# Altium PCB remote control.PcbDoc
Units mil, origin at the board's own origin, x right, y up, seen from the top; angles counter-clockwise.
Board outline 5901.93 x 2766.1 mil, 2 copper layers (Top Layer, Bottom Layer); 67 components, 55 nets, 300 pads, 39 vias.
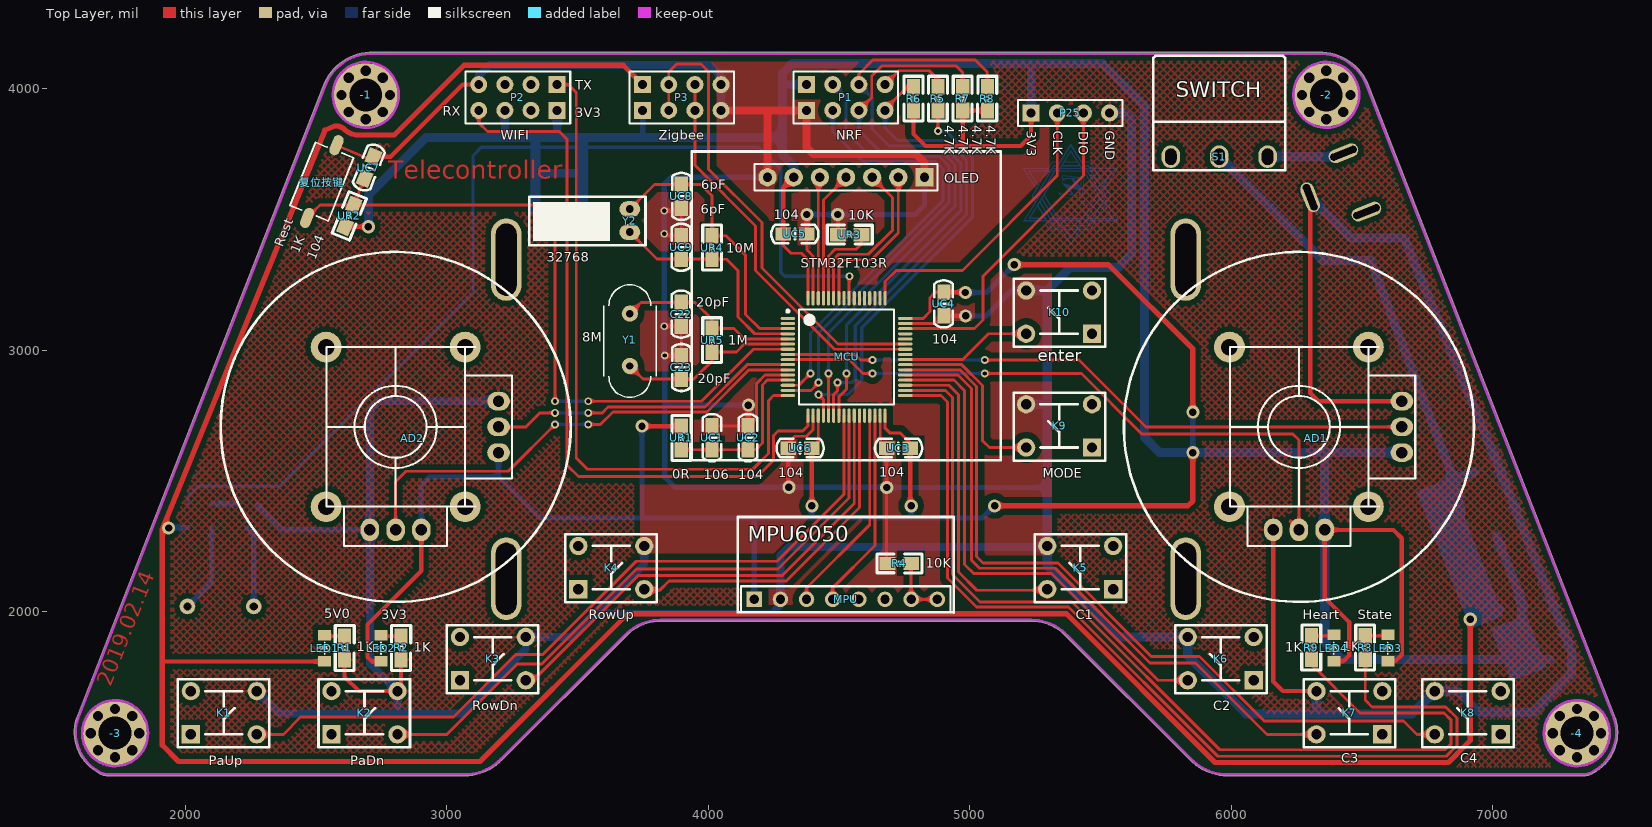
[diagram p0: Top Layer view]
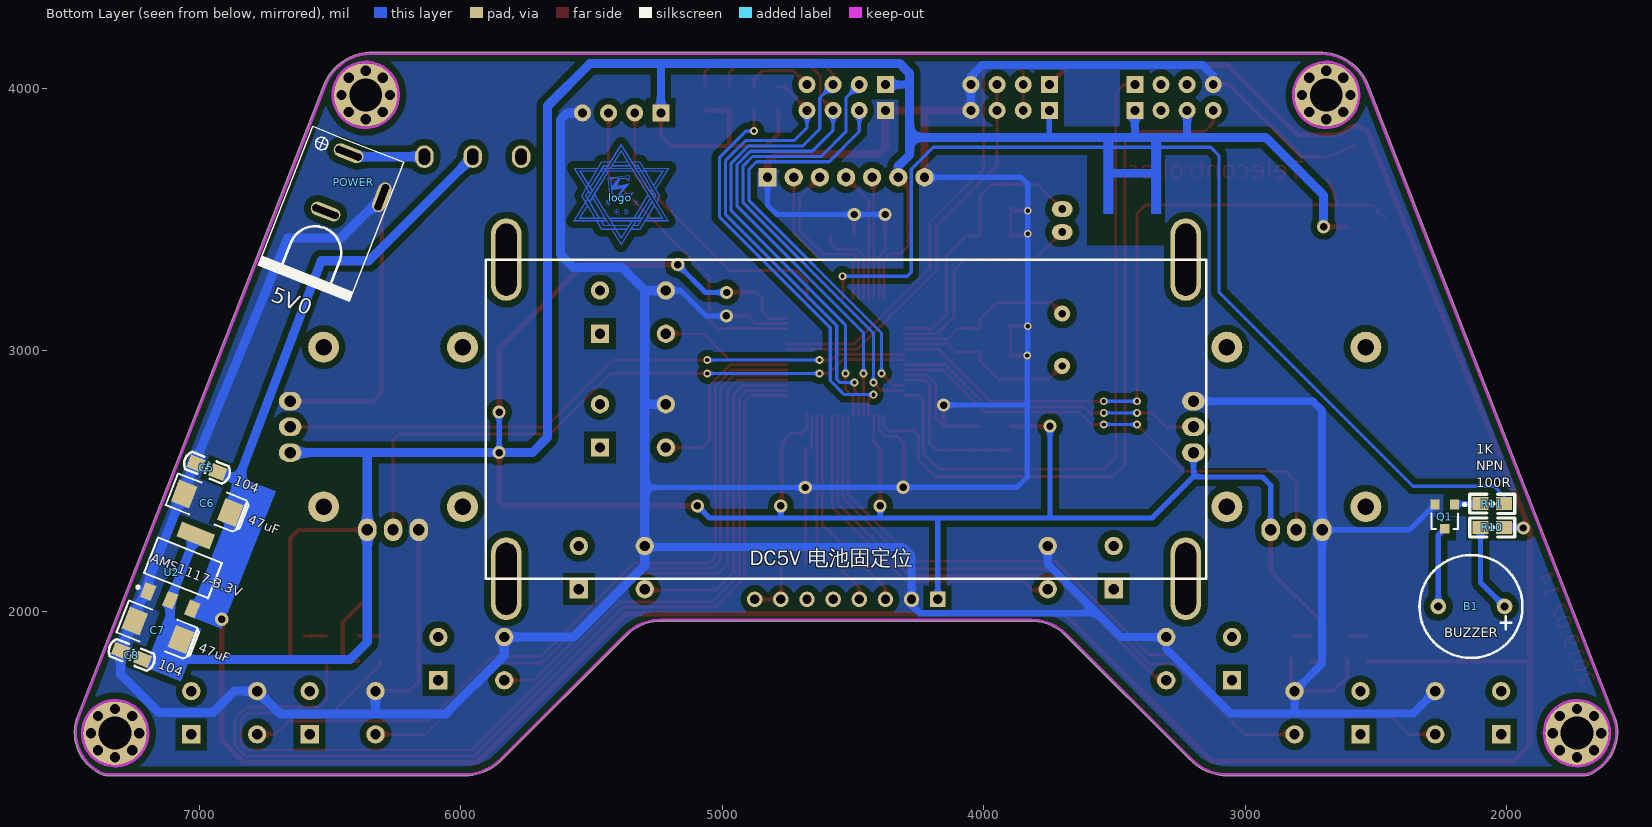
[diagram p1: Bottom Layer view, seen from below]

## Layer stack, top to bottom
Top Solder: solder mask 0.4, Solder Resist, Dk 3.5
Top Layer: signal copper 1.4
Dielectric 1: dielectric 12.6, FR-4, Dk 4.8
Bottom Layer: signal copper 1.4
Bottom Solder: solder mask 0.4, Solder Resist, Dk 3.5

## Board outline
1704.12,1373.08 ccw(c1704.12,1378.1) 1705.39,1373.25 ccw(c1707.12,1377.95) 1707.12,1372.94 3070.87,1372.94 ccw(c3070.87,1566.93) 3210.63,1432.39 ccw(c3208.66,1437.01) 3212.21,1433.46 3683.25,1904.51 ccw(c3681.4,1909.17) 3685.07,1905.75 cw(c3818.9,1779.53) 3818.9,1963.49 5236.22,1963.49 cw(c5236.22,1779.53) 5370.05,1905.75 cw(c5236.22,1779.53) 5370.07,1905.73 5370.05,1905.75 ccw(c5373.72,1909.17) 5371.86,1904.51 5842.91,1433.46 ccw(c5846.46,1437.01) 5844.49,1432.39 ccw(c5984.25,1566.93) 5984.25,1372.94 7348,1372.94 ccw(c7348,1377.95) 7349.73,1373.25 ccw(c7351,1378.1) 7351,1373.08 ccw(c7351,1436) 7385.9,1383.65 ccw(c7303.1,1538.35) 7478.57,1538.35 ccw(c7303.1,1538.35) 7466.54,1602.19 6526.22,4009.43 ccw(c6341,3942) 6335.87,4139.04 ccw(c6336,4134.03) 6334.71,4138.87 2720.41,4138.87 ccw(c2719.12,4134.03) 2719.25,4139.04 ccw(c2714.12,3942) 2528.9,4009.43 2528.92,4009.49 2528.9,4009.43 ccw(c2714.12,3942) 2528.88,4009.37 2528.9,4009.43 1588.58,1602.19 ccw(c1752.01,1538.35) 1669.22,1383.65 ccw(c1704.12,1436)

## Design rules (kind name [scope] priority, off if disabled: settings)
Clearance [All] p1: gap=7
ComponentClearance [All] p1: gap=0 collisioncheckmode=3 verticalgap=10 showdistances=FALSE
PolygonConnect [All] p1: connectstyle=Relief reliefconductorwidth=10 reliefentries=4 polygonreliefangle="90 Angle" airgapwidth=10
RoutingVias [All] p1: holewidth=28 width=50 viastyle="Through Hole" minholewidth=28 minwidth=50 maxholewidth=28 maxwidth=50
SolderMaskExpansion [All] p1: expansion=4
Width [All] p1: maxlimit=40 minlimit=10 preferedwidth=30 minimp=50.000000 maximp=50.000000 favimp=50.000000
29 further rules are at their usual default settings.

## Components (designator, comment, footprint, x,y, rotation, side; value= is the part's Value field where it differs from the comment)
-1 "" 定位孔 2690.94,3976.38 r0 top
-2 "" 定位孔 6364.17,3976.38 r0 top
-3 "" 定位孔 1732.28,1535.43 r0 top
-4 "" 定位孔 7322.83,1535.43 r0 top
AD1 "" 无人机遥感 6259.84,2706.69 r0 top locked
AD2 "" 无人机遥感 2805.12,2706.69 r0 top locked
B1 "BUZZER" 蜂鸣器(有源) 2038,2020 r0 bottom locked
C5 "104" 0805C 7009.09,2565.15 r201.5 bottom
C6 "47uF" Cap1(47uF) 6882,2380 r201.5 bottom
C7 "47uF" Cap1(47uF) 7071,1894 r201.5 bottom
C8 "104" 0805C 7297,1849 r201.5 bottom
C22 "20pF" 0805C 3897.64,3097.44 r90 top
C23 "20pF" 0805C 3897.64,2974.33 r270 top
K1 "PaUp" SW_PB4_DIP#1 2274.02,1529.62 r180 top
K2 "PaDn" SW_PB4_DIP#1 2812.02,1529.62 r180 top
K3 "RowDn" SW_PB4_DIP#1 3303.02,1736.32 r180 top
K4 "RowUp" SW_PB4_DIP#1 3756.02,2084.8 r180 top
K5 "C1" SW_PB4_DIP#2 5297.23,2084.8 r0 top
K6 "C2" SW_PB4_DIP#2 5834.63,1736.32 r0 top
K7 "C3" SW_PB4_DIP#2 6326.76,1529.62 r0 top locked
K8 "C4" SW_PB4_DIP#2 6779.51,1529.62 r0 top
K9 "MODE" SW_PB4_DIP#2 5216.52,2626.63 r0 top
K10 "enter" SW_PB4_DIP#2 5216.52,3061.67 r0 top
LED1 "5V0" 0805LED 2531.47,1811.72 r90 top
LED2 "3V3" 0805LED 2747.31,1811.72 r90 top
LED3 "State" 0805LED 6597.79,1813.02 r90 top
LED4 "Heart" 0805LED 6391.79,1813.02 r90 top
logo "" 集大电协 5390.07,3582.68 r180 bottom
MCU "STM32F103R" LQFP-64N 4389.76,3117.13 r0 top locked
MPU "" MPU6050 4113.39,1997.09 r0 top locked
P1 "NRF" "Header 4X2" 4492.69,3974.44 r90 top
P2 "WIFI" "Header 4X2" 3307.09,3958.63 r270 top
P3 "Zigbee" "Header 4X2" 3865.81,3974.44 r90 top
P25 "3V3" "Header 4" 5234.66,3906.53 r90 top
POWER "5V0" DC-005 6423.56,3756.12 r291.5 bottom
Q1 "NPN" NPN 2275.45,2409.55 r0 bottom
R1 "1K" 0805R 2610.1,1861.4 r90 top
R2 "1K" 0805R 2825.94,1861.4 r90 top
R3 "1K" 0805R 6513.31,1862.71 r270 top
R4 "10K" 0805R 4731.64,2185.04 r0 top
R5 "4.7K" 0805R 4879,3962 r90 top
R6 "4.7K" 0805R 4786,3962 r270 top
R7 "4.7K" 0805R 4974,3962 r270 top
R8 "4.7K" 0805R 5068,3962 r270 top
R9 "1K" 0805R 6307.31,1862.71 r270 top
R10 "100R" 0805R 2056,2322 r180 bottom
R11 "1K" 0805R 2056,2413 r180 bottom
S1 "" 拨动开关（倒针） 5954.96,3740 r0 top locked
U2 "AMS1117-3.3V" SOT-223 7193.36,2074.84 r201.5 bottom
UC1 "106" 0805C 4015.75,2625 r90 top
UC2 "104" 0805C 4153.54,2625 r90 top
UC3 "104" 0805C 4688,2625 r0 top
UC4 "104" 0805C 4901.57,3136.81 r90 top
UC5 "104" 0805C 4372.34,3444.72 r180 top
UC6 "104" 0805C 4311.76,2625 r0 top
UC7 "104" 0805C 2688.16,3661.19 r68 top
UC8 "6pF" 0805C 3897.64,3628.94 r270 top
UC9 "6pF" 0805C 3897.64,3353.35 r90 top
UR1 "0R" 0805R 3897.64,2664.37 r90 top
UR2 "1K" 0805R 2627.95,3513.78 r248 top
UR3 "10K" 0805R 4541.93,3441.72 r180 top
UR4 "10M" 0805R 4015.75,3392.72 r270 top
UR5 "1M" 0805R 4015.75,3038.39 r270 top
Y1 "8M" 22M(晶振) 3700.79,3139.96 r270 top
Y2 "32768" XTAL 3704.79,3478.77 r270 top
复位按键 "Rest" 贴片按键 2471.35,3510.09 r68 top
? "OLED" OLED 4831.86,3659.54 r180 top locked

## Footprints (in the part's own frame and the unit in brackets; to place one, negate y for a bottom-side part, rotate by r counter-clockwise, add the part's x,y. Pads: shape width x height; smd on the part's side, far side on the other; paste and mask are expansions set on the pad)
22M(晶振) [mil]
  round 62 hole 28: 1(0,0) 2(200,0)
  silkscreen extent -110,-100 320,100, body extent -114,-102 326,82, height 143
0805C [mil]
  rect 60x50 smd: 1(-5,0) 2(85,0)
  silkscreen extent -50,-35 131,36, body extent -16,-26 102,29, height 37
0805LED [mil]
  rect 40x50 smd: 1(-2,-2) 2(98,-2)
  silkscreen extent 25,-22 71,18, body extent 7,-27 87,23, height 43
0805R [mil]
  rect 60x50 smd: 1(-45,0) 2(45,0)
  silkscreen extent -86,-37 86,36, body extent -38,-25 40,25, height 22
Cap1(47uF) [mil]
  rect 75x90 smd: 1(0,0) 2(-190,0)
  silkscreen extent -240,-65 55,65, body extent -213,-63 23,63, height 102
DC-005 [mil]
  oval 52x118.11 hole 27.56 slot 106.3 at 90 deg: 1(5,-5) 2(245,-5)
  oval 118.11x52 hole 27.56 slot 106.3 at 0 deg: 3(115,175)
  silkscreen extent -40,-170 530,205, body extent -36,-168 539,207, height 430
"Header 4" [mil]
  rect 65x65 hole 34: 1(0.95,-0.93)
  round 65 hole 34: 2(0.95,-100.93) 3(0.95,-200.93) 4(0.95,-300.93)
  silkscreen extent -49,-351 51,49, body extent -51,-354 49,46, height 336
"Header 4X2" [mil]
  rect 65x65 hole 34: 1(-57.12,115.92) 2(41.31,115.92)
  round 65 hole 34: 3(-57.12,15.92) 4(41.31,15.92) 5(-57.12,-84.08) 6(41.31,-84.08) 7(-57.12,-184.08) 8(41.31,-184.08)
  silkscreen extent -107,-234 91,166, body extent -109,-237 89,163, height 336
LQFP-64N [mm]
  oval 1.4x0.3 smd: 1(-2.146,0.12) 2(-2.146,-0.38) 3(-2.146,-0.88) 4(-2.146,-1.38) 5(-2.146,-1.88) 6(-2.146,-2.38) 7(-2.146,-2.88) 8(-2.146,-3.38) 9(-2.146,-3.88) 10(-2.146,-4.38) 11(-2.146,-4.88) 12(-2.146,-5.38) 13(-2.146,-5.88) 14(-2.146,-6.38) 15(-2.146,-6.88) 16(-2.146,-7.38) 33(9.254,-7.38) 34(9.254,-6.88) 35(9.254,-6.38) 36(9.254,-5.88) 37(9.254,-5.38) 38(9.254,-4.88) 39(9.254,-4.38) 40(9.254,-3.88) 41(9.254,-3.38) 42(9.254,-2.88) 43(9.254,-2.38) 44(9.254,-1.88) 45(9.254,-1.38) 46(9.254,-0.88) 47(9.254,-0.38) 48(9.254,0.12)
  oval 0.3x1.4 smd: 17(-0.196,-9.33) 18(0.304,-9.33) 19(0.804,-9.33) 20(1.304,-9.33) 21(1.804,-9.33) 22(2.304,-9.33) 23(2.804,-9.33) 24(3.304,-9.33) 25(3.804,-9.33) 26(4.304,-9.33) 27(4.804,-9.33) 28(5.304,-9.33) 29(5.804,-9.33) 30(6.304,-9.33) 31(6.804,-9.33) 32(7.304,-9.33) 49(7.304,2.07) 50(6.804,2.07) 51(6.304,2.07) 52(5.804,2.07) 53(5.304,2.07) 54(4.804,2.07) 55(4.304,2.07) 56(3.804,2.07) 57(3.304,2.07) 58(2.804,2.07) 59(2.304,2.07) 60(1.804,2.07) 61(1.304,2.07) 62(0.804,2.07) 63(0.304,2.07) 64(-0.196,2.07)
  silkscreen extent -2.27,-8.23 8.15,0.97, body extent -2.45,-9.63 9.55,2.37, height 1.6
MPU6050 [mm]
  rect 1.5x1.5 hole 0.9: 1(1.61,1.274)
  round 1.5 hole 0.9: 2(4.15,1.274) 3(6.69,1.274) 4(9.23,1.274) 5(11.77,1.274) 6(14.31,1.274) 7(16.85,1.274) 8(19.39,1.274)
  silkscreen extent 0,0 21,9.27
NPN [mm]
  rect 0.9x0.95 smd: 1(-0.001,0.001) 2(-1.901,0.001) 3(-0.951,2.351)
  silkscreen extent -3.03,-0.12 0.35,2.35, body extent -2.47,-0.21 0.43,2.59, height 1.2
OLED [mil]
  rect 70x70 hole 35.43: 1(4.3,-1.87)
  round 70 hole 35.43: 2(104.3,-1.87) 3(204.3,-1.87) 4(304.3,-1.87) 5(404.3,-1.87) 6(504.3,-1.87) 7(604.69,-1.87)
  silkscreen extent -287,-100 894,1081
SOT-223 [mm]
  rect 1.1x1.55 smd: 1(-0.09,0.029) 2(2.21,0.029) 3(4.51,0.029)
  rect 3.45x1.55 smd: 4(2.21,6.779)
  silkscreen extent -1.29,-0.07 5.56,5.25, body extent -1.09,-0.53 5.51,6.83, height 0.8
SW_PB4_DIP#1 [mil]
  rect 70x70 hole 39.37: 1(251.98,-1.32)
  round 70 hole 39.37: 2(251.98,-166.68) 3(0.02,-166.68) 4(0.02,-1.32)
  silkscreen extent -48,-211 302,49, body extent -37,-207 288,49, height 315
SW_PB4_DIP#2 [mil]
  rect 70x70 hole 39.37: 1(251.98,1.32)
  round 70 hole 39.37: 2(251.98,166.68) 3(0.02,166.68) 4(0.02,1.32)
  silkscreen extent -48,-49 302,211, body extent -37,-49 288,207, height 315
XTAL [mil]
  oval 60x80 hole 30: 1(-61,-4) 2(27,-4)
  silkscreen extent -108,-389 77,56, body extent -82,-72 54,54, height 365
定位孔 [mm] "3*3"
  round 1 hole 1: 1(-2.35,0) 1(-1.662,-1.662) 1(-1.662,1.662) 1(0,-2.35) 1(0,2.35) 1(1.662,-1.662) 1(1.662,1.662) 1(2.35,0)
  round 6.2 hole 3.2: 1(0,0)
  Keep-Out Layer circle w0.254: c0,0 r3.2
拨动开关（倒针） [mm]
  oval 1.8x2.2 hole 1.1 slot 1.6 at 90 deg: 1(-4.7,0) 2(0,0) 3(4.7,0)
  silkscreen extent -6.4,-1.3 6.4,9.8
无人机遥感 [mm]
  round 3 hole 1.6: 0(-6.75,-7.75) 0(-6.75,7.75) 0(6.75,-7.75) 0(6.75,7.75)
  round 2 on Top Overlay: 1(0,0)
  oval 2.2x1.8 hole 1.1: 1(10,2.5) 2(10,0) 3(10,-2.5)
  oval 1.8x2.2 hole 1.1: 4(2.5,-10) 5(0,-10) 6(-2.5,-10)
  silkscreen extent -17,-17 17,17
蜂鸣器(有源) [mil]
  round 60 hole 32 mask+0: 1(-29,0) 2(224.85,0)
  silkscreen extent -97,-197 296,197, body extent -140,-236 332,236, height 354
贴片按键 [mil]
  oval 80x40 smd: 1(-5.71,2.8) 2(294.29,2.8)
  silkscreen extent 14,-76 274,82, body extent 24,-69 264,77, height 98
集大电协 [mil] "10mm"
  Top Layer region: 120,12 126,22 128,20 128,18 123,10 121,10
  Top Layer region: 112,25 118,35 120,33 120,31 115,23 113,23
  Top Layer region: 68,104 164,104 165,104 128,45 127,50 159,101 69,101
  Top Layer region: 90,114 186,114 187,114 137,34 134.5,36.5 181,111 91,111
  Top Layer region: -23,139 27,139 28,138 29,137 30,136 -25,136
  Top Layer region: 79,104 65,104 63,102 66,101 67,101 68,101 79,101
  Top Layer region: 72,114 58,114 56,112 60,112 61,111 72,111
  Top Layer region: -49,124 -65,124 -115.5,40.5 -113,38 -63,121 -51,121
  Top Layer region: -34,124 36,124 35,124 37,123 37,121 -36,121
  Top Layer region: -76,101 -74,104 47,104 49,101
  Top Layer region: -67,114 42,114 42,113 43,111 -69,111
  Top Layer region: 36,87 33,64 20,74 22,76 31,69 33,84 -46,74 -38.5,0.5 33,2 44,17 -32,7 -40,73 22,76 21,75 20,74 -37,71 -30,10 45,20 50,21 34,0 -41,-2 -49,76
  Top Layer region: -107.76,-0.39 -43.84,-105.5 -40.5,-105.5 -40.88,-103.93 -107,4
  Top Layer region: -99.76,11.61 -10,-136 2.29,-156.83 47,-87 43,-87 2.29,-150 -31,-95 -99,16
  Top Layer region: -34,-122 -10,-161 2.29,-181.83 63,-87 59,-87 2.29,-175 -31,-120 -34,-121
  Top Layer region: -71.5,-119 -29.5,-119 26.5,-119 25.5,-122 -73.5,-122 -93.5,-87 -89.5,-88
  Top Layer region: -122,23 -122.61,26.61 -134,8 -82.46,-77.91 -80,-76 -130,8 -119.7,23.69
  Top Layer region: 129,-26 74,-119 41,-119 39,-122 76,-122 131,-30
  Top Layer region: 119.86,-13.21 66,-104 51,-104 50,-107 68,-107 123,-15
  Top Layer region: 113,1 65,-77 69,-78 115,-2
  Top Layer region: 105,13 50,-76.5 51,-78 55,-76 107,10
  Top Layer region: -48,102 -118.5,-13.5 -116.5,-16.5 -44,102
  Top Layer region: -92.5,104 -157.5,104 -109,26 -106,27 -151.5,101 -96,101
  Top Layer region: -88,114 -179,114 -116,13 -114,15 -173,111 -90,111
  Top Layer region: -40,139 -73.93,139 -150,8 -98.46,-77.91 -96,-76 -146,8 -72,136 -40,136
  Top Layer region: 43,139 76,139 153,7 138,-18 136,-14 149,7 74,136 43,136
  Top Layer region: -63,-104 -21,-104 35,-104 34,-107 -65,-107 -76,-88 -72,-89
  Top Layer region: -37,-86 33,-86 79,-86 78,-89 -37,-89
  Top Layer region: -43,-76 27,-76 83,-76 82,-79 -43,-79
  Top Layer region: 52,124 68,124 137,9 130,-3 128,1 133,9 66,121 54,121
  Top Layer region: -41,114 -27,135 2,183 163,-79 102,-79 104,-76 157,-76 2,177 -37,114
  Top Layer region: 2,207 -9,190 -181,-89 -173,-89 -54,-89.05 -52,-86 -58.64,-74.93 -62,-76 -153,-76 -126,-32 -128,-28 -160,-79 -60,-79 -55.5,-86 -175,-86 2,200 56,112 178,-86 98,-86 96,-89 184,-89 174,-73
  Top Layer region: -9,72.5 -34.75,39.75 -33,30 8,36 -8,12 -2,12 35,55 -13.5,44 -0.5,74

## Part data
-1 -2 -3 -4: library part 定位孔
AD1 AD2: library part 无人机摇杆
C5 C8 C22 C23 UC1 UC2 UC3 UC4 UC5 UC6 UC7 UC8 UC9: library part C1
C6 C7: library part Cap1(100uF)
K1 K2 K3 K4 K5 K6 K7 K8 K9 K10: library part Key(四脚)
LED1 LED2 LED3 LED4: library part LED
logo: library part 集大电协
MPU: library part MPU6050
P1 P2 P3: library part "Header 4X2"
P25: library part "Header 4"
POWER: library part DC-005
Q1: library part Q2
R1 R2 R3 R4 R5 R6 R7 R8 R9 R10 R11 UR1 UR2 UR3 UR4 UR5: library part R1
S1: library part 钮子开关
U2: library part AMS1117-3.3V/5.0V
Y1 Y2: library part XTAL
复位按键: library part Key(两脚贴片)

## Free pads (board coordinates)
  oval 118.11x314.96 hole 78.74 slot 275.59 at 90 deg: 0(3228.35,2125.98) 0(3228.35,3346.46) 0(5826.77,2125.98) 0(5826.77,3346.46)

## Via types
v1: diameter 30, hole 16, Top Layer to Bottom Layer, 22 vias
v2: diameter 50, hole 28, Top Layer to Bottom Layer, 17 vias

## Nets (pads, with @x,y where several pads share a name; then routed paths per layer and width w, separated by ;. In a path a pad name is that pad's centre, name@x,y a point inside that pad or via, vN(x,y) a via of type N, cw(c..) or ccw(c..) an arc to the next point about the centre after c; other vN are vias at no path point)
3.3V: ?.6 AD1.3 AD1.4 AD2.3 AD2.4 C7.1 C8.2 LED2.1 LED3.1 LED4.1 MCU.19 MCU.32 MCU.48 MCU.64 MPU.1 P1.2 P2.2 P2.6 P3.1 P25.1 R6.2 R7.2 R8.2 U2.2 U2.4 UC3.2 UC4.2 UC5.2 UC6.2 UR1.2 UR2.2 | length 19165.3
  Top Layer w11: UC5.2 4287.34,3400.66 4317,3371 4358,3371 4382.05,3346.95 MCU.64 ; UC6.2 4421.42,2649.65 MCU.19 ; MCU.32@4677.42,2756.89 4677.42,2701.52 4694.88,2684.06 4734.25,2684.06 4770.04,2648.27 UC3.2@4770.04,2625 ; MCU.48 4822.85,3121.85 4849,3148 4849,3202 4868.81,3221.81 UC4.2
  Top Layer w16: UR2.2 v2(2701.1,3472.06) ; LED2.1 2714.28,1809.72 2698,1826 2698,1951 2903.54,2156.54 AD2.4 ; v2(3747.64,2709.37) UR1.2 ; UC5.2 4287.34,3621.2 ?.6 ; v2(4396.76,2405) UC6.2 ; UC3.2@4770.04,2625 UC3.2 v2@4773,2405 ; R6.2 4786,3827 4832,3781 4975,3781 ; UC4.2 4983.19,3221.81 v2(4984,3221) ; R8.2 R7.2 4974,3782 4975,3781 ; P25.1 5235.59,3820.59 5196,3781 4975,3781 ; LED4.1 6431.02,1811.02 6452,1832 6452,1960 6358.27,2053.73 AD1.4 6621.01,2312.99 6653,2281 6653,1835 6629.02,1811.02 LED3.1
  Top Layer w20: v2(5096,2405) 5836,2405 5854,2423 v2(5854,2608.27) ; v2(5171,3327) 5531.27,3327 5854,3004.27 v2(5854,2763) v2@5854,2756
  Bottom Layer w20: AD2.4 2903.54,2483.54 2935,2515 3198.82,2515 ; AD2.3 3198.82,2515 ; v2(3747.64,2709.37) 3747.64,2361.36 3751,2358 ; 3749.89,3814.11 P3.1 ; 4048,3814 4049.89,3815.89 ; MPU.1 4176.77,2353.77 4181,2358 ; v2(4396.76,2405) 4396.76,2360.76 4394,2358 ; v2(4777.04,2405) 4777.04,2360.04 4775,2358 ; v2(4984,3221) 5065,3221 v2(5171,3327) ; v2(5096,2405) 5049,2358 4775,2358 ; 5233,4097 5235.59,4094.41 ; v2(5854,2608.27) v2(5854,2763) ; 3198.82,2515 3200,2515 3357,2358 3751,2358 ; 3751,2358 4181,2358 ; 4181,2358 4394,2358 ; 4394,2358 4775,2358
  Bottom Layer w30: 3223.01,3816 P2.6 ; P2.2 3423.01,3815.99 3425,3814 ; 3749.89,3814.11 3750,3814 ; 4285,4015.75 P1.2 ; P25.1 5235.59,4094.41
  Bottom Layer w35: v2(2701.1,3472.06) 2701.1,3592.1 2923,3814 3425,3814 3750,3814 4048,3814 4285,3814 ; ?.6 4327.56,3703.44 4285,3746 4285,3814 ; v2@5853,2608.27 5727.73,2608.27 5669,2667 5669,3934 5506,4097 5233,4097 4323,4097 4285,4059 4285,4015.75 4285,3814 ; v2(5854,2608.27) AD1.3 ; 6358.27,2606 AD1.4 6358.27,1883.73 6424.15,1817.85 7075,1817.85 ; U2.4 U2.2 7112,1935 C7.1 7075,1817.85 ; C8.2 7075,1817.85
5.0V: C5.2 C6.1 LED1.1 P3.2 R10.2 S1.2 U2.3 | length 13053.3
  Top Layer w16: 1913,1808 1914.72,1809.72 LED1.1
  Top Layer w20: v2(1937,2320) 1917,2320 v2@1913,2316 ; P3.2 3675.64,4090 3067,4090 2800,3823 2662.42,3823 cw(c2662.42,3898.86) 2608.78,3845.22 ccw(c2580.34,3816.77) 2580.34,3857 2571.8,3857 2534.54,3841.32 1917.82,2327.82 v2@1913,2316 ; v2(6915,1971) 6915,1507.18 6831.32,1423.5 5939.27,1423.5 5370.77,1992 3693,1992 3128,1427 1975,1427 1913,1489 1913,1808 v2@1913,2316
  Bottom Layer w20: v2(1937,2320) 1939,2322 R10.2
  Bottom Layer w35: S1.2 6352.96,3342 6535,3342 6853.39,2500.2 ; 6760,2459 6853.39,2500.2 ; v2(6915,1971) 6954.81,2010.81 U2.3 7008.45,2018.97 6874,2350 C6.1 6858,2488 6853.39,2500.2 ; C5.2 6853.39,2500.2
AD1: AD1.2 MCU.8 | length 2463.2
  Top Layer w11: MCU.8 4560.94,2984.06 4583,2962 v1(4629,2962) ; v1(5058,2962) 5419,2962 5674.31,2706.69 AD1.2
  Bottom Layer w12: v1(4629,2962) v1(5058,2962)
AD2: AD1.5 MCU.9 | length 2425.4
  Top Layer w11: MCU.9 4539.63,2964.37 4593,2911 v1(4629,2911) ; v1(5058,2911) 5428,2911 5659,2680 6236,2680 6259.84,2656.16 AD1.5
  Bottom Layer w12: v1(4629,2911) v1(5058,2911)
AD3: AD2.2 MCU.10 | length 1205
  Top Layer w11: AD2.2 3302.69,2706.69 3356.5,2760.5 v1(3415,2760.5) ; v1(3542,2760.5) 3595.5,2760.5 3618,2783 3988,2783 4149.69,2944.68 MCU.10
  Bottom Layer w12: v1(3415,2760.5) v1(3542,2760.5)
AD4: AD2.5 MCU.11 | length 1863.5
  Top Layer w11: AD2.5 2805.12,2497.12 2845,2537 3236,2537 v1(3415,2716) ; v1(3542,2716) 3588,2716 3636,2764 3995.87,2764 4156.87,2925 MCU.11
  Bottom Layer w12: v1@3413,2716 v1(3415,2716) v1(3542,2716)
BOOT0: MCU.60 UR3.1 | length 342.2
  Top Layer w11: MCU.60 4460.79,3360.79 4486,3386 4566,3386 4586.93,3406.93 UR3.1
BUZZ: MCU.56 R11.2 | length 3937.3
  Top Layer w11: MCU.56 4539.53,3281.53 v1(4541,3283)
  Bottom Layer w12: R11.2 2011,2442 2049,2480 2359,2480 3101,3222 3101,3744 3133,3776 4194,3776 4278,3692 4278,3298 4293,3283 v1(4541,3283)
GND: ?.1 ?.7 AD1.1@6653.54,2805.12 AD1.6 AD2.1@3198.82,2805.12 AD2.6 C5.1 C6.2 C7.2 C8.1 C22.1 C23.1 K1.3 K2.3 K3.3 K4.3 K5.3 K6.3 K7.3 K8.3 K9.3 K10.3 MCU.12 MCU.18 MCU.31 MCU.47 MCU.63 MPU.2 P1.1 P2.7 P3.7 P3.8 P25.4 POWER.3 Q1.1 R1.1 R2.1 R4.1 U2.1 UC1.2 UC2.2 UC3.1 UC4.1 UC5.1 UC6.1 UC7.2 UC8.2 UC9.2 UR3.2 复位按键.2 | length 24986.9
  Top Layer w11: 复位按键.2 2690,3737 UC7.2 ; C23.1 C22.1 ; UC9.2 UC8.2 ; UC1.2 UC2.2 ; UC2.2@4154,2710.46 4186,2742.46 4186,2874 4217.31,2905.31 MCU.12 ; UC6.1 4306.76,2645.76 4332,2671 4376.71,2671 4401.73,2696.02 MCU.18 ; UC5.1 4377.34,3384.66 4401.73,3360.27 MCU.63 ; MCU.31 4658.42,2749.02 4658.42,2626.94 UC3.1@4660.35,2625 ; v2@4683,2475 4683,2188.68 R4.1 ; UC3.1 UC3.1@4683,2626 ; MCU.47 4871.93,3102.17 UC4.1
  Top Layer w16: R1.1 2610.1,1750.9 2664.7,1696.3 K2.3 2825.94,1710.24 R2.1 ; UC7.2 2786,3740 3061.75,4015.75 P2.7 ; v1(3832.55,3091.61) 3833.38,3092.44 C22.1 ; v1(3832.55,3445.61) 3839.82,3438.35 UC9.2 ; v1(3832.55,3533.61) 3887.32,3533.61 UC8.2 ; v1(3834.55,2979.61) 3834.83,2979.33 C23.1 ; UC2.2 4154,2710.46 v2(4154,2790) ; UC6.1 4306.76,2478.24 v2(4309,2476) ; UC5.1 4378,3445.38 v2(4378,3519) ; v2(4496,3519) 4496.93,3518.07 UR3.2 ; v2@4683,2475 UC3.1 ; UC4.1 4984.76,3131.81 v2(4985.26,3131.32) ; AD1.6 6161.42,1732.58 6197.7,1696.3 K7.3 ; POWER.3 6302.88,2836.12 6333.88,2805.12 AD1.1@6653.54,2805.12
  Top Layer w30: P3.7 4357.09,3917.32 4366.93,3907.48 P1.1 4376.77,3776.23 4403,3750 4794,3750 4827.56,3716.44 ?.1 ; ?.7 4227.17,3916
  Bottom Layer w20: Q1.1 2371.93,2312.99 AD2.6 ; 3835,2790 v2(4154,2790) ; ?.7 3858.42,3661.42 3832.55,3635.55 v1(3832.55,3533.61) v1(3832.55,3445.61) v1(3832.55,3091.61) 3832.55,2981.61 v1(3834.55,2979.61) 3834.55,2514.45 3873,2476 v2(4309,2476) 4682.33,2476 v2(4683.33,2475) 5297.24,2475 ; v2(4378,3519) v2(4496,3519) 4792,3519 4827.56,3554.56 ?.1 ; v2(4985.26,3131.32) 5063.31,3131.32 5160.35,3228.35 K10.3
  Bottom Layer w25: 3568.67,1994.67 4077.33,1994.67 4078,1994 4245,1994 4276.77,2025.77 MPU.2
  Bottom Layer w30: K1.3 2359.3,1611 2814,1611 ; P2.7 3123.01,4050.01 3164,4091 4007,4091 4049.89,4048.11 P3.8 P3.7 P3.7@4049.89,3907.48 ; AD2.1@3198.82,2805.12 2742.12,2805.12 2706.69,2769.69 AD2.6 2706.69,1801.61 K2.3 2812,1613 2814,1611 ; K4.3@3756,2247.48 3756,2182 3568.67,1994.67 3476.99,1902.99 K3.3 3303,1857 3057,1611 2814,1611 ; MPU.2 4276.77,2214.77 4309.48,2247.48 K5.3@5297.24,2247.48
  Bottom Layer w35: K9.3 5294.94,2793.31 5297.24,2791 ; K10.3 5282.14,3228.35 5297.24,3213.24 ; K5.3@5297.24,2247.48 5297.24,2175.76 5570.01,1902.99 K6.3 5834.65,1832.35 6058,1609 6692.23,1609 K8.3 6866.7,1696.3 6949,1614 7155,1614 7301.65,1760.65 C8.1 7255.75,1966.79 7209.91,2082.59 7063.83,2451.64 7017.57,2568.5 6996,2623 6663,3429 6458.86,3429 POWER.3 ; K5.3 5297.24,2475 5297.24,2791 ; P25.4 5593.52,3907.48 5620,3881 5620,3367 5569,3316 5384,3316 5297.24,3229.24 5297.24,3213.24 ; 6326.77,1613 K7.3 ; 5297.24,2791 5297.24,3213.24
IMU_SCL: MCU.29 MPU.3 | length 802.6
  Top Layer w11: MPU.3 4376.77,2090.77 4618.27,2332.27 MCU.29
IMU_SDA: MCU.30 MPU.4 | length 769.3
  Top Layer w11: MPU.4 4476.77,2091.77 4637.95,2252.95 MCU.30
KEY1: K1.4 MCU.24 | length 2927
  Top Layer w11: K1.4 2375.94,1530.94 2442,1597 3026,1597 3266,1837 3369.13,1837 3725.13,2193 4264,2193 4519.84,2448.84 MCU.24
KEY2: K2.4 MCU.25 | length 2417.1
  Top Layer w11: K2.4 3000.94,1530.94 3270,1800 3364,1800 3727,2163 4268,2163 4539.53,2434.53 MCU.25
KEY3: K3.4 MCU.26 | length 1872
  Top Layer w11: K3.4 3331.64,1737.64 3733,2139 4284,2139 4559.21,2414.21 MCU.26
KEY4: K4.4 MCU.27 | length 1305.6
  Top Layer w11: K4.4@3756,2082.13 3815.13,2082.13 3851,2118 4299,2118 4578.9,2397.9 MCU.27
KEY5: K5.4 MCU.35 | length 1265
  Top Layer w11: MCU.35 4922.06,2865.94 4958,2830 4958,2152 5027.87,2082.13 K5.4@5297.24,2082.13
KEY6: K6.4 MCU.36 | length 1945
  Top Layer w11: MCU.36 4940.37,2885.63 4981,2845 4981,2181 5016,2146 5313,2146 5721.36,1737.64 K6.4
KEY7: K7.4 MCU.37 | length 2526.9
  Top Layer w11: MCU.37 4955.82,2905.31 5007,2854.13 5007,2197 5038,2166 5328,2166 5690,1804 5864,1804 6137.06,1530.94 K7.4
KEY8: K8.4 MCU.38 | length 2983.6
  Top Layer w11: MCU.38 4963,2925 5027,2861 5027,2211 5052,2186 5338,2186 5695,1829 5880,1829 6127,1582 6660,1582 6711.06,1530.94 K8.4
KEY9: K9.4 MCU.39 | length 717.2
  Top Layer w11: MCU.39 4970.19,2944.68 5050,2864.87 5050,2654 5076.05,2627.95 K9.4
KEY10: K10.4 MCU.40 | length 503.3
  Top Layer w11: MCU.40 4974.37,2964.37 5072.99,3062.99 K10.4
LED0: MCU.33 R3.2 | length 3732.7
  Top Layer w11: MCU.33 4891.43,2826.57 4916,2802 4916,2129 5027,2018 5378,2018 5949,1447 6823,1447 6864,1488 6864,1593 6821,1636 6539,1636 6513.31,1661.69 R3.2
LED1: MCU.34 R9.2 | length 3795.5
  Top Layer w11: MCU.34 4907.74,2846.26 4935,2819 4935,2142 5040,2037 5392,2037 5957,1472 6819,1472 6842,1495 6842,1585 6814,1613 6493,1613 6307.31,1798.69 R9.2
NetB1_1: B1.1 R10.1 | length 340.1
  Bottom Layer w20: B1.1 2101,2112 R10.1
NetB1_2: B1.2 Q1.3 | length 307.3
  Bottom Layer w20: Q1.3 2262.85,2292.15 B1.2
NetLED1_2: LED1.2 R1.2 | length 78
  Top Layer w11: LED1.2 2536.79,1906.4 R1.2
NetLED2_2: LED2.2 R2.2 | length 78
  Top Layer w11: LED2.2 2752.63,1906.4 R2.2
NetLED3_2: LED3.2 R3.1 | length 87.8
  Top Layer w11: R3.1 6596.47,1907.71 LED3.2
NetLED4_2: LED4.2 R9.1 | length 87.8
  Top Layer w11: R9.1 6390.47,1907.71 LED4.2
NetMCU_13: MCU.13 UC1.1 UC2.1 UR1.1 | length 648
  Top Layer w11: UR1.1 4182.37,2619.37 4208,2645 4208,2867 4226.63,2885.63 MCU.13
NetMPU_7: MPU.7 MPU.8 R4.2 | length 237.9
  Top Layer w11: R4.2 4776.64,2047.38 MPU.7 MPU.8
NetP1_8: P1.8 R5.2 | length 267
  Top Layer w11: P1.8 4730.02,4069 4846,4069 4879,4036 R5.2
NetQ1_2: Q1.2 R11.1 | length 101
  Bottom Layer w20: R11.1 2197.12,2413 Q1.2
NRF_CE: MCU.14 P1.3 | length 1658.6
  Top Layer w11: MCU.14 4346.94,2865.94 v1(4392,2911)
  Bottom Layer w12: v1(4392,2911) 4392,3066 4898,3572 4898,3693 4870,3721 4592,3721 4476.77,3836.23 P1.3
NRF_CS: MCU.15 P1.4 | length 1814.1
  Top Layer w11: MCU.15 4393.26,2846.26 v1(4423,2876)
  Bottom Layer w12: v1(4423,2876) 4423,3066 4921,3564 4921,3705 4885,3741 4622,3741 4528,3835 4528,3964.52 P1.4
NRF_IRQ: MCU.20 R5.1 | length 1556.7
  Top Layer w11: v1(4423,2830) 4441.1,2811.9 MCU.20 ; v1(4879,3838) R5.1
  Bottom Layer w12: v1(4423,2830) 4534,2830 4588,2884 4588,3086 5011,3509 5011,3738 4911,3838 v1(4879,3838)
OLED_D0: ?.5 MCU.62 | length 465.3
  Top Layer w11: MCU.62 4421.42,3655.28 ?.5
OLED_D1: ?.4 MCU.61 | length 505.7
  Top Layer w11: MCU.61@4441.2,3191.53 4441.2,3575.06 ?.4
OLED_DC: ?.2 MCU.58 | length 624.4
  Top Layer w11: MCU.58 4500.16,3336.16 4510,3346 4625,3346 4727.56,3448.56 ?.2
OLED_RES: ?.3 MCU.59 | length 654.1
  Top Layer w11: MCU.59 4480.47,3347.47 4500,3367 4613,3367 4705,3459 4705,3583.98 ?.3
OSC32IN: MCU.3 UC8.1 UR4.1 Y2.1 | length 1093.5
  Top Layer w11: Y2.1 3794.95,3633.94 UC8.1 3971.38,3633.94 4015.75,3589.57 UR4.1 4069.17,3437.72 4143.7,3363.19 4143.7,3136.81 4198.03,3082.48 MCU.3
OSC32OUT: MCU.4 UC9.1 UR4.2 Y2.2 | length 869.4
  Top Layer w11: Y2.2 3804.21,3348.35 UC9.1 4015.12,3348.35 UR4.2 4070.59,3347.72 4114.17,3304.13 4114.17,3126.97 4178.35,3062.8 MCU.4
OSCIN: C22.2 MCU.5 UR5.1 Y1.1 | length 699.6
  Top Layer w11: Y1.1 3743.27,3182.44 C22.2 3950.43,3182.44 4015.75,3117.13 UR5.1 4099.61,3083.39 4139.89,3043.11 MCU.5
OSCOUT: C23.2 MCU.6 UR5.2 Y1.2 | length 700.8
  Top Layer w11: Y1.2 3751.42,2889.33 C23.2 3945.43,2889.33 4015.75,2959.65 UR5.2 4108.54,2993.39 4138.58,3023.43 MCU.6
RESET: MCU.7 UC7.1 UR2.1 复位按键.1 | length 2782.8
  Top Layer w11: 复位按键.1 2516.28,3555.5 UR2.1 ; UC7.1 UR2.1 ; v1(3415,2805) 3415,3524 3383.5,3555.5 UR2.1 ; v1(3542,2805) 3975,2805 4173.74,3003.74 MCU.7
  Bottom Layer w12: v1(3415,2805) v1(3542,2805)
SPI1_CLK: MCU.21 P1.5 R7.1 | length 2241
  Top Layer w11: MCU.21 4460.79,2910.79 v1(4461,2911) ; P1.5 4626,3966.55 4626,4049 4665,4088 4948,4088 4974,4062 R7.1
  Bottom Layer w12: v1(4461,2911) 4460,2912 4460,3066 4944,3550 4944,3710.28 4893.28,3761 4657,3761 4576.77,3841.23 P1.5
SPI1_MISO: MCU.22 P1.7 R6.1 | length 1797.1
  Top Layer w11: MCU.22 4480.47,2830.47 4495,2845 v1(4495,2876) ; P1.7 4676.77,3921.77 4762,4007 R6.1
  Bottom Layer w12: v1(4495,2876) 4550,2876 4563,2889 4563,3094 4989,3520 4989,3724 4911,3802 4726,3802 4676.77,3851.23 P1.7
SPI1_MOSI: MCU.23 P1.6 R8.1 | length 2373.5
  Top Layer w11: MCU.23 4500.16,2821.16 4530,2851 v1(4530,2911) ; P1.6 4576.77,4056.77 4630,4110 5022,4110 5068,4064 R8.1
  Bottom Layer w12: v1(4530,2911) 4530,3097 4967,3534 4967,3715.57 4901.57,3781 4693,3781 4628,3846 4628,3964.52 P1.6
SWCLK: MCU.49 P25.2 | length 1129.7
  Top Layer w11: MCU.49 4677.32,3262.32 4720,3305 4973,3305 5335.59,3667.59 P25.2
SWDIO: MCU.46 P25.3 | length 1262.2
  Top Layer w11: MCU.46 5018.48,3082.48 5051,3115 5051,3283 5435.59,3667.59 P25.3
USART1_RX: MCU.43 P3.3 P3.4 | length 1827.1
  Top Layer w11: P3.3 P3.4 3849.89,4063.89 3880,4094 3973,4094 4002,4065 4002,3692 4206,3488 4206,3314 4496.57,3023.43 MCU.43
USART1_TX: MCU.42 P3.5 P3.6 | length 1503.8
  Top Layer w11: P3.6 P3.5 3949.89,3707.48 4182,3475.37 4182,3305 4483.26,3003.74 MCU.42
USART2_RX: MCU.17 P2.8 | length 2771.5
  Top Layer w11: P2.8 3123.01,3869.99 3156,3837 3431,3837 3461,3807 3461,2560 3504,2517 4188,2517 4250,2579 4250,2673 4268,2691 4362,2691 4382.05,2711.05 MCU.17
USART2_TX: MCU.16 P2.1 | length 2544.8
  Top Layer w11: P2.1 3465.25,4015.75 3496,3985 3496,2588 3539,2545 4171,2545 4231,2605 4231,2807 4250.57,2826.57 MCU.16
VIN: POWER.1 S1.3 | length 312.8
  Bottom Layer w35: S1.3 6397.93,3740 ccw(c6397.93,3785.41) POWER.1 POWER.1@6449.28,3753.3
pads on no net: -1.1 -2.1 -3.1 -4.1 AD1.0 AD1.1@6259.84,2706.69 AD2.0 AD2.1@2805.12,2706.69 K1.1 K1.2 K2.1 K2.2 K3.1 K3.2 K4.1 K4.2 K5.1 K5.2 K6.1 K6.2 K7.1 K7.2 K8.1 K8.2 K9.1 K9.2 K10.1 K10.2 MCU.1 MCU.2 MCU.28 MCU.41 MCU.44 MCU.45 MCU.50 MCU.51 MCU.52 MCU.53 MCU.54 MCU.55 MCU.57 MPU.5 MPU.6 P2.3 P2.4 P2.5 POWER.2 S1.1
copper on no net: | length 0.9
  Bottom Layer w35: 5769.92,3740 5769.92,3740.92

## Polygon pours and split planes (outlines as drawn)
GND on Top Layer "Top Layer-No Net 1" (hatched 45Degree grid 20 track 8, remove dead copper, pour order 34): 1137,1538 1725,2126 1725,3897 1983,3897 2532,4446 2563,4415 5785,4415 6668,4415 7145,3938 7663,3420 7663,1482 7643,1482 7338,1177 7262,1101 1472,1101
GND on Top Layer "Top Layer-No Net 1" (solid, remove dead copper, pour order 28): 3740.16,1968.5 5354.33,1968.5 5314.96,2007.87 5314.96,4133.86 3740.16,4133.86
GND on Bottom Layer "Top Layer-No Net 1" (solid, remove dead copper, pour order 32): 2708,4355 2745,4392 6200,4392 6676,4392 7188,3880 7829,3239 7829,1255 7829,1162 7668,1001 7622,955 2127,955 1730,955 1499,1186 1426,1259 1426,2468 1426,3484 2159,4217

## Keep-outs
Keep-Out Layer:
  lines w10: 1593.25,1600.37 2533.6,4007.66 cw(c2714.12,3942) 2719.12,4134.03 ; 1595.46,1605.76 ccw(c1752.01,1538.35) 1671.8,1387.95 ccw(c1704.12,1436) 1704.12,1378.1 ; 1707.12,1377.95 3070.87,1377.95 ccw(c3070.87,1566.93) 3208.36,1437.29 ; 2715.12,4133.86 6141.73,4133.86 ; 2952.76,4133.86 6340,4133.86 ; 3208.66,1437.01 3680.82,1909.17 3681.4,1909.17 cw(c3818.9,1779.53) 3818.9,1968.5 5236.22,1968.5 cw(c5236.22,1779.53) 5373.72,1909.17 5374.3,1909.17 5846.46,1437.01 ; 5846.75,1437.29 ccw(c5984.25,1566.93) 5984.25,1377.95 7348,1377.95 ; 6336,4134.03 cw(c6341,3942) 6521.52,4007.66 7461.87,1600.37 ; 7351,1378.1 ccw(c7351,1436) 7383.31,1387.95 ccw(c7303.1,1538.35) 7459.65,1605.76

## Other copper
Top Layer:
  text "Telecontroller" at 2777,3632 h120
  text "2019.02.14" at 1733,1704 h100 r68.5
Bottom Layer:
  region net 5.0V: 6915.46,1934.16 7042,1984 6834.67,2510.32 6708.14,2460.48
  region net 3.3V: 7072.17,1733.1 7208.82,1786.93 7129.4,1988.55 6992.75,1934.72
  text "H" at 3582.68,3425.2 h500

## Silkscreen, mask and mechanical layers (free items; w line width, h text height)
Top Overlay:
  text "TX" at 3493,3997 h36
  text "RX" at 2985,3896 h36
  text "3V3" at 3492,3891 h36
  text "GND" at 5519,3840 h36 r270
  text "CLK" at 5320,3839 h36 r270
  text "DIO" at 5418,3838 h36 r270
Bottom Overlay:
  lines w10: 3149.61,2125.98 5905.51,2125.98 5905.51,3346.46 3149.61,3346.46 3149.61,2125.98
  text "DC5V 电池固定位" at 4896,2159 h100
Top Solder:
  text "Telecontroller" at 2777,3632 h120
  text "2019.02.14" at 1733,1704 h100 r68.5
Bottom Solder:
  text "H" at 3582.68,3425.2 h500

## Text inside footprints (layer, text, board x,y; h text height)
logo: Bottom Layer "集" at 5448.07,3548.68 h30; Bottom Layer "大" at 5343.07,3548.68 h30; Bottom Layer "电" at 5416.07,3513.68 h30; Bottom Layer "协" at 5379.07,3513.68 h30; Bottom Solder "协" at 5379.07,3513.68 h30; Bottom Solder "电" at 5416.07,3513.68 h30; Bottom Solder "大" at 5343.07,3548.68 h30; Bottom Solder "集" at 5448.07,3548.68 h30
MPU: Top Overlay "MPU6050" at 4151,2268 h60
S1: Top Overlay "SWITCH" at 5789.61,3968.35 h60